# Altium PCB MiniPC.PcbDoc (part 2 of 22)
Units mm, origin at the board's own origin, x right, y up, seen from the top; angles counter-clockwise.
Board outline 175 x 155 mm, 16 copper layers (1_Top, 2_int1_(gnd), 3_int2_(power), 4_int3_(gnd), 5_int4_(sign), 6_int5_(power), 7_int6_(sign), 8_int7_(power), 9_int8_(gnd), 10_int9_(sign), 11_int10_(gnd), 12_int11_(sign), 13_int12_(gnd), 14_int13_(power), 15_int14_(gnd), 16_Bottom), stack 2.008 mm thick; 1046 components, 837 nets, 6010 pads, 3950 vias.
Unrouted connection lines stored in the file: 585.
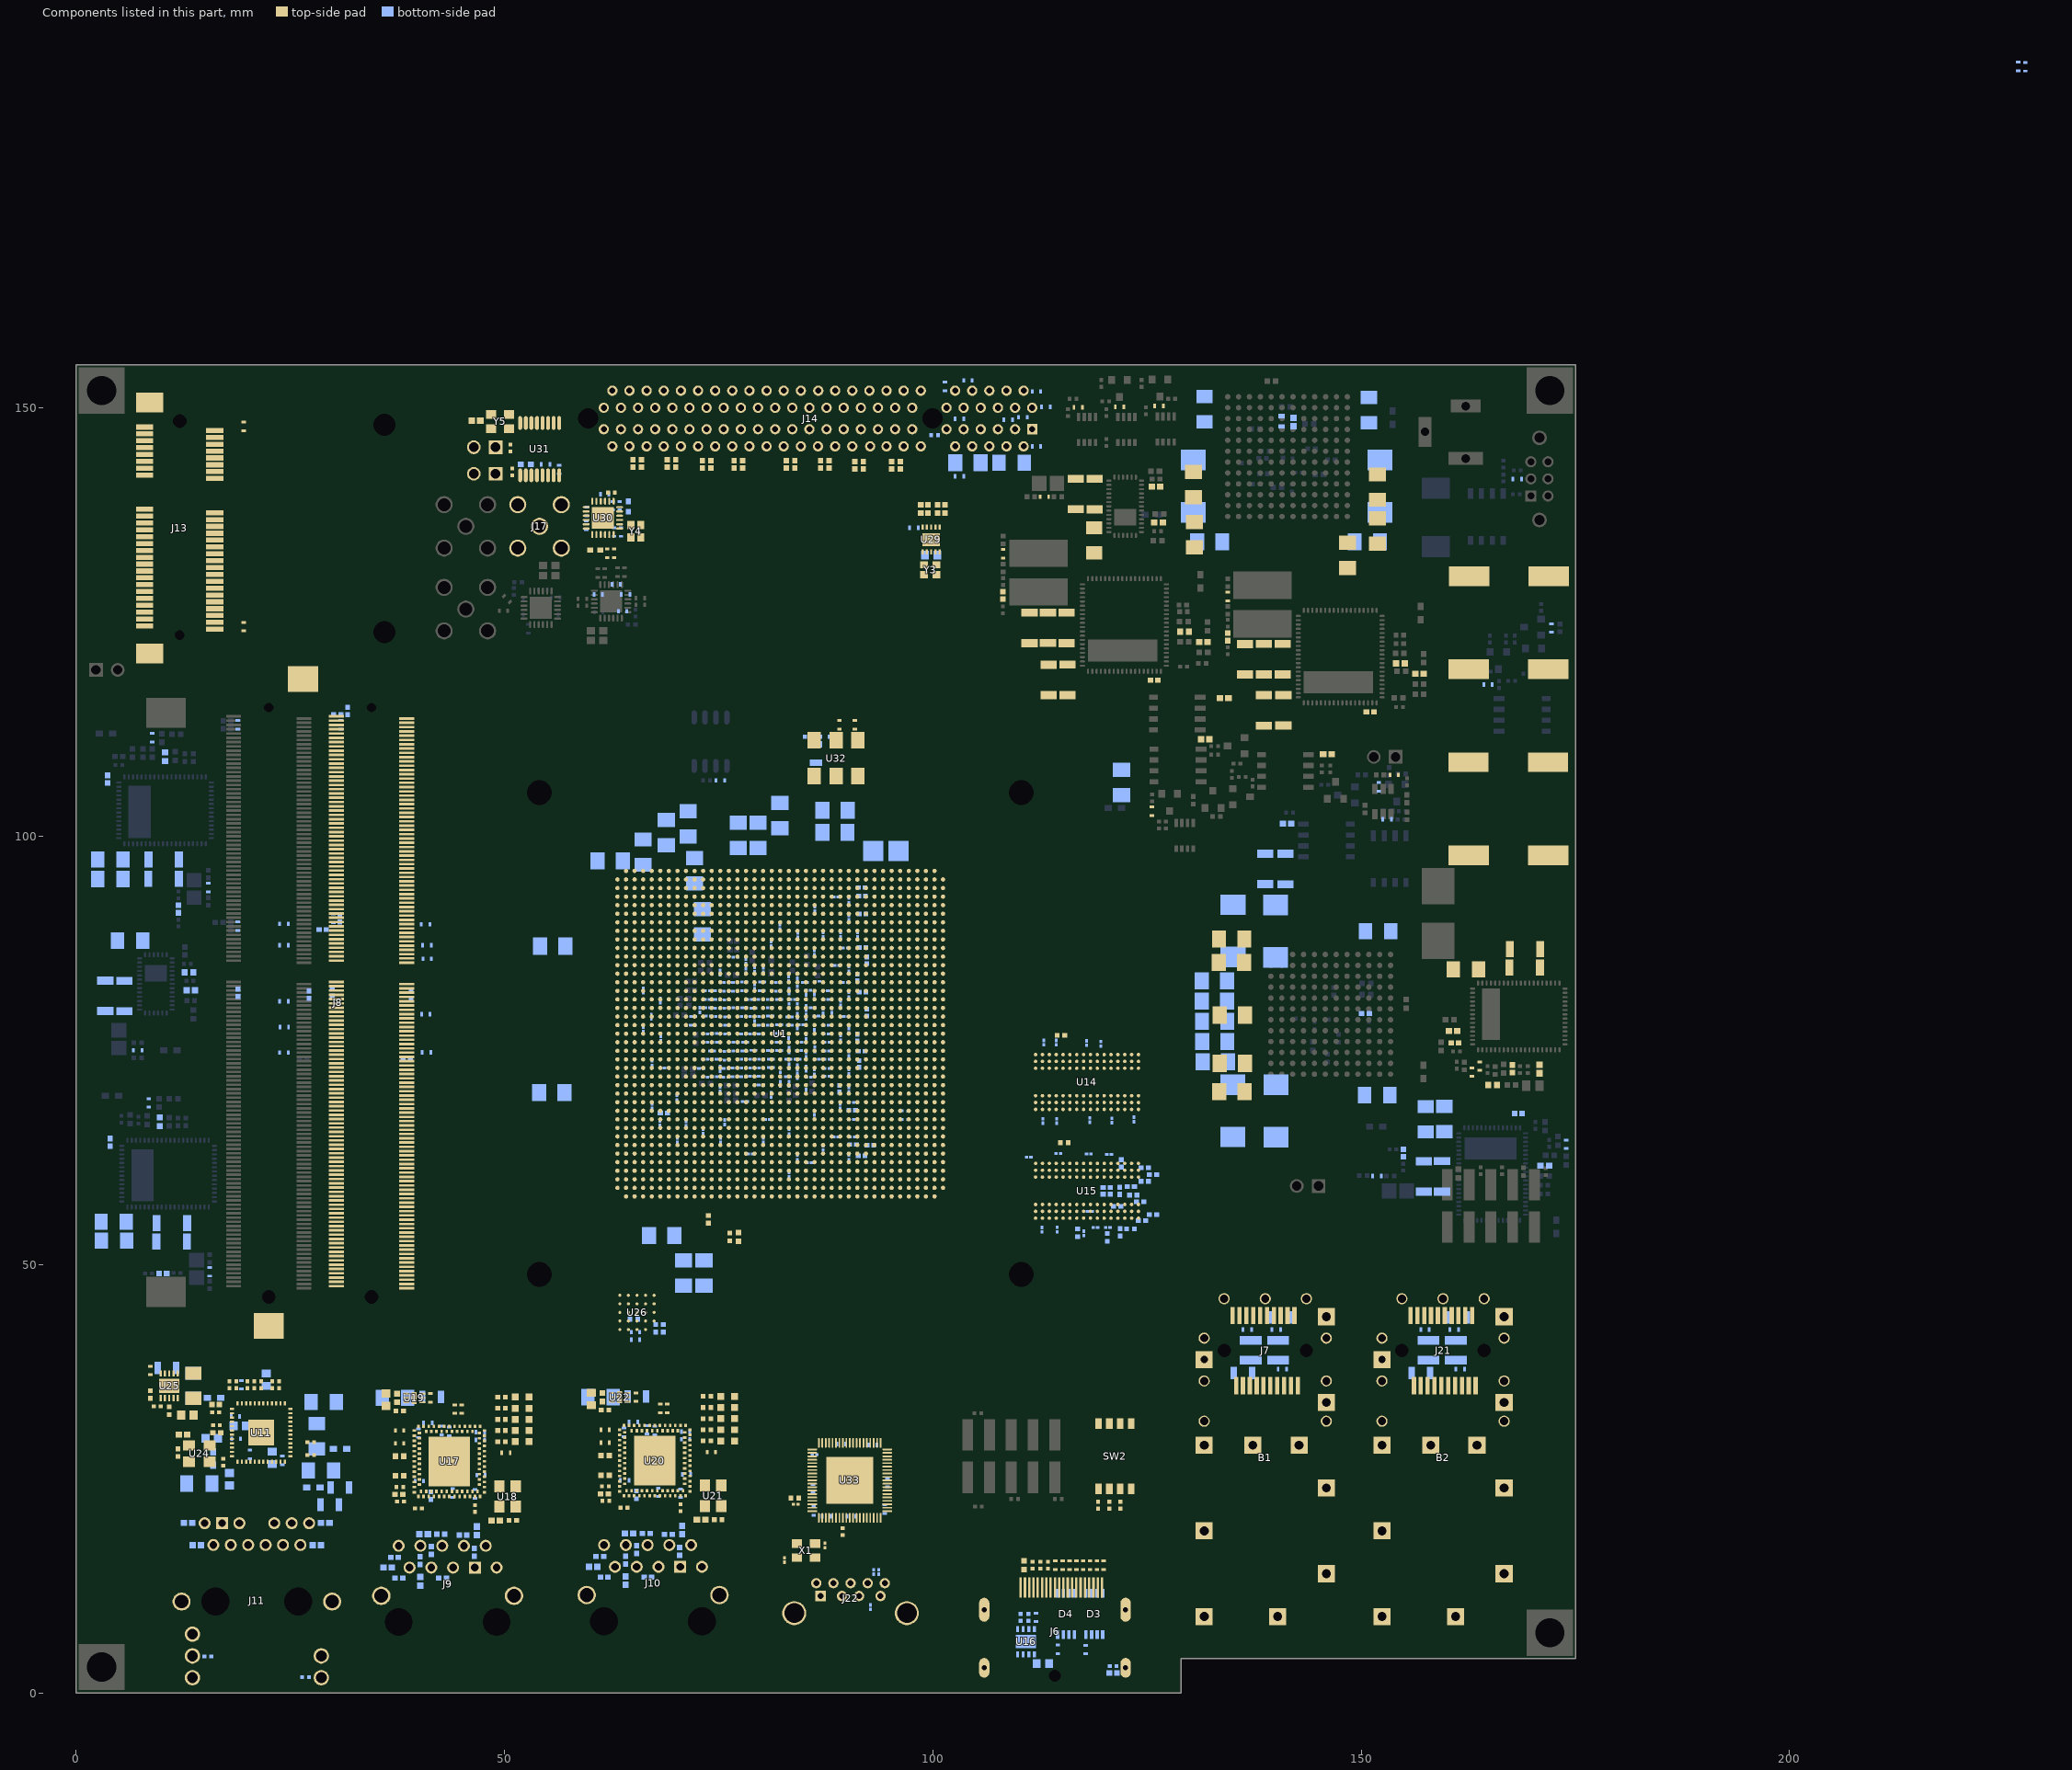
[diagram p16: the components of this part, seen from the top]

## Classes and differential pairs (continued)
component class U_PLL: C532 C533 C534 C535 C536 C537 C538 C539 C540 C541 C542 C543 C544 C545 C546 C547 C548 C549 J17 J18 J19 L19 L20 L21 L22 R335 R336 R337 R338 R339 R340 R341 U29 U30 U31 U32 Y3 Y4 Y5
component class U_USB3: U1
component class U_USB3: C560 C561 C562 C563 C564 C565 C566 C567 C568 C569 C570 C571 C572 C573 C574 J22 R342 R343 U33 X1
component class U_DDR4: C264 C265 C266 C267 C268 C269 C270 C271 C272 C273 C274 C275 C276 C277 C278 C279 C280 C281 C282 R208 R209 R210 R211 R212 R213 R214 R215 R216 R217 R218 R219 R220 R221 R222 R223 R224 R225 R226 U14 U15
component class U_DDR4_SODIMM1: C283 C284 C285 C286 C287 C288 C289 J8 R227 R228 R229 R230 R231
component class U_DDR4_SODIMM_Arria10: R237 R238 R239 R240 R241
component class U_Ethernet-HPS: C362 C363 C364 C365 C366 C367 C368 C369 C370 C371 C372 C373 C374 C375 C376 C377 C378 C379 C380 C381 C382 C383 C384 C385 C386 C387 J11 L11 L12 L13 L14 R297 R298 R299 R300 R301 R302 R303 R304 R305 R306 R307 R308 R309 R310 R311 R312 R313 R314 R315 R316 U11 U24 U25
component class U_HPS1_Arria10: C388 C389 R317 R318 R319 R320 R321 R322 R323 R324 R325 SW2 U26
component class U_Display_Port: C297 C298 C299 C300 C301 C302 C303 C304 C305 C306 C307 C308 C309 D3 D4 J6 R242 R243 R244 R245 R246 R247 R248 U16
component class U_SFP_PortA: B1 B2 C550 C551 C552 C553 C554 C555 C556 C557 C558 C559 J7 J21 L23 L24 L25 L26
component class U_Ethernet2: C336 C337 C338 C339 C340 C341 C342 C343 C344 C345 C346 C347 C348 C349 C350 C351 C352 C353 C354 C355 C356 C357 C358 C359 C360 C361 D10 D11 D12 D13 D14 J10 R273 R274 R275 R276 R277 R278 R279 R280 R281 R282 R283 R284 R285 R286 R287 R288 R289 R290 R291 R292 R293 R294 R295 R296 U20 U21 U22
component class U_Ethernet1: C310 C311 C312 C313 C314 C315 C316 C317 C318 C319 C320 C321 C322 C323 C324 C325 C326 C327 C328 C329 C330 C331 C332 C333 C334 C335 D5 D6 D7 D8 D9 J9 R249 R250 R251 R252 R253 R254 R255 R256 R257 R258 R259 R260 R261 R262 R263 R264 R265 R266 R267 R268 R269 R270 R271 R272 U17 U18 U19
component class U_PCIE_Connector: C483 C484 C485 C486 C487 C488 C489 C490 C491 C492 C493 C494 C495 C496 C497 C498 C499 C500 C501 C502 C503 C504 C505 C506 C507 C508 C509 J14 R332
component class U_miniPCIE_Connector: C481 C482 J13
net class USB3: USB3_BE0 USB3_BE1 USB3_BE2 USB3_BE3 USB3_CLK USB3_D0 USB3_D1 USB3_D2 USB3_D3 USB3_D4 USB3_D5 USB3_D6 USB3_D7 USB3_D8 USB3_D9 USB3_D10 USB3_D11 USB3_D12 USB3_D13 USB3_D14 USB3_D15 USB3_D16 USB3_D17 USB3_D18 USB3_D19 USB3_D20 USB3_D21 USB3_D22 USB3_D23 USB3_D24 USB3_D25 USB3_D26 USB3_D27 USB3_D28 USB3_D29 USB3_D30 USB3_D31 USB3_OE USB3_RD USB3_RESERVED USB3_RXF USB3_SIWU USB3_TXE USB3_WAKEUP USB3_WR
net class PCIE_TX: PCIE_TX0_N PCIE_TX0_P PCIE_TX1_N PCIE_TX1_P PCIE_TX2_N PCIE_TX2_P PCIE_TX3_N PCIE_TX3_P PCIE_TX4_N PCIE_TX4_P PCIE_TX5_N PCIE_TX5_P PCIE_TX6_N PCIE_TX6_P PCIE_TX7_N PCIE_TX7_P
net class PCIE_TX_C: PCIE_TX0_C_N PCIE_TX0_C_P PCIE_TX1_C_N PCIE_TX1_C_P PCIE_TX2_C_N PCIE_TX2_C_P PCIE_TX3_C_N PCIE_TX3_C_P PCIE_TX4_C_N PCIE_TX4_C_P PCIE_TX5_C_N PCIE_TX5_C_P PCIE_TX6_C_N PCIE_TX6_C_P PCIE_TX7_C_N PCIE_TX7_C_P
net class PCIE_RX: PCIE_RX0_N PCIE_RX0_P PCIE_RX1_N PCIE_RX1_P PCIE_RX2_N PCIE_RX2_P PCIE_RX3_N PCIE_RX3_P PCIE_RX4_N PCIE_RX4_P PCIE_RX5_N PCIE_RX5_P PCIE_RX6_N PCIE_RX6_P PCIE_RX7_N PCIE_RX7_P
net class PCIE_Upr: MINI_PCIE_SMB_CLK MINI_PCIE_SMB_DATA MINIPCIE_CLKREQ_L MINIPCIE_LED_WLAN_L MINIPCIE_PERST_L MINIPCIE_W_DISABLE_L MINIPCIE_WAKE_L PCIE_PERSTN
net class USB3_diff: USB3_D_N USB3_D_P USB3_SSRX_N USB3_SSRX_P USB3_TOD_N USB3_TOD_P
pad class Class_Polygon: C9-1 C10-1 C11-1 C12-1 C18-1 C19-1 C20-1 C21-1 C22-1 C28-1 C29-1 C30-1 C31-1 C37-1 C38-1 C39-1 C40-1 C45-1 C46-1 C47-1 C51-1 C52-1 C53-1 C55-1 C56-1 C61-1 C62-1 C63-1 C71-1 C72-1 C74-2 C75-2 C76-2 C77-2 C80-2 C81-1 C81-2 C82-1 C83-1 C84-1 C85-1 C85-2 C86-1 C87-2 C88-1 C88-2 C89-1 C90-1 C91-1 C92-1 C93-1 C95-2 C96-1 C97-1 C98-1 C99-1 C100-1 C101-2 C102-1 C103-1 C104-1 C105-1 C112-1 C113-1 C116-1 C132-1 C135-1 C206-2 C207-2 C208-2 C209-2 C222-2 C224-1 C225-1 C226-1 C227-1 C228-2 C231-1 C232-1 C236-1 C237-1 C238-1 C243-1 C244-1 C245-1 C246-1 C247-1 C256-1 C257-1 C258-2 C259-2 C260-1 C265-2 C266-2 C267-1 C282-1 C283-1 C284-1 C290-1 C291-1 C292-1 C293-1 C294-1 C309-1 C310-1 C311-1 C312-1 C327-1 C329-1 C495-2 D1-2 J4-1 J4-2 J4-3 L3-1 L5-1 L6-1 L8-1 Q20-1 Q20-2 Q20-3 U11-49 U33-69
net class SFP: SFPA_RX_N SFPA_RX_P SFPA_TX_N SFPA_TX_P SFPB_RX_N SFPB_RX_P SFPB_TX_N SFPB_TX_P
net class PCIE_CLK: PCIE_REFCLK_QR0_N PCIE_REFCLK_QR0_P PCIE_REFCLK_SYN_N PCIE_REFCLK_SYN_P
differential pair MINI_PCIE_USB_D: +MINI_PCIE_USB_D_P -MINI_PCIE_USB_D_N
differential pair USB3_SSRX: +USB3_SSRX_P -USB3_SSRX_N
differential pair USB3_TOD: +USB3_TOD_P -USB3_TOD_N
differential pair USB3_SSTX: +USB3_SSTX_P -USB3_SSTX_N
differential pair USB3_D: +USB3_D_P -USB3_D_N
differential pair TRD4: +TRD4_P -TRD4_N
differential pair TRD3: +TRD3_P -TRD3_N
differential pair TRD2: +TRD2_P -TRD2_N
differential pair TRD1: +TRD1_P -TRD1_N
differential pair REFCLK_SMA: +REFCLK_SMA_P -REFCLK_SMA_N
differential pair REFCLK_SDI: +REFCLK_SDI_P -REFCLK_SDI_N
differential pair REFCLK_DP: +REFCLK_DP_P -REFCLK_DP_N
differential pair REFCLK1_FMCB: +REFCLK1_FMCB_P -REFCLK1_FMCB_N
differential pair PCIE_TX7: +PCIE_TX7_P -PCIE_TX7_N
differential pair PCIE_TX7_C: +PCIE_TX7_C_P -PCIE_TX7_C_N
differential pair PCIE_TX6: +PCIE_TX6_P -PCIE_TX6_N
differential pair PCIE_TX6_C: +PCIE_TX6_C_P -PCIE_TX6_C_N
differential pair PCIE_TX5: +PCIE_TX5_P -PCIE_TX5_N
differential pair PCIE_TX5_C: +PCIE_TX5_C_P -PCIE_TX5_C_N
differential pair PCIE_TX4: +PCIE_TX4_P -PCIE_TX4_N
differential pair PCIE_TX4_C: +PCIE_TX4_C_P -PCIE_TX4_C_N
differential pair PCIE_TX3: +PCIE_TX3_P -PCIE_TX3_N
differential pair PCIE_TX3_C: +PCIE_TX3_C_P -PCIE_TX3_C_N
differential pair PCIE_TX2: +PCIE_TX2_P -PCIE_TX2_N
differential pair PCIE_TX2_C: +PCIE_TX2_C_P -PCIE_TX2_C_N
differential pair PCIE_TX1: +PCIE_TX1_P -PCIE_TX1_N
differential pair PCIE_TX1_C: +PCIE_TX1_C_P -PCIE_TX1_C_N
differential pair PCIE_TX0: +PCIE_TX0_P -PCIE_TX0_N
differential pair PCIE_TX0_C: +PCIE_TX0_C_P -PCIE_TX0_C_N
differential pair PCIE_RX7: +PCIE_RX7_P -PCIE_RX7_N
differential pair PCIE_RX6: +PCIE_RX6_P -PCIE_RX6_N
differential pair PCIE_RX5: +PCIE_RX5_P -PCIE_RX5_N
differential pair PCIE_RX4: +PCIE_RX4_P -PCIE_RX4_N
differential pair PCIE_RX3: +PCIE_RX3_P -PCIE_RX3_N
differential pair PCIE_RX2: +PCIE_RX2_P -PCIE_RX2_N
differential pair PCIE_RX1: +PCIE_RX1_P -PCIE_RX1_N
differential pair PCIE_RX0: +PCIE_RX0_P -PCIE_RX0_N
differential pair PCIE_REFCLK_SYN: +PCIE_REFCLK_SYN_P -PCIE_REFCLK_SYN_N
differential pair PCIE_REFCLK_QR0: +PCIE_REFCLK_QR0_P -PCIE_REFCLK_QR0_N
differential pair ENETB_TX: +ENETB_TX_P -ENETB_TX_N
differential pair ENETB_TXC: +ENETB_TXC_P -ENETB_TXC_N
differential pair ENETB_RX: +ENETB_RX_P -ENETB_RX_N
differential pair ENETB_RXC: +ENETB_RXC_P -ENETB_RXC_N
differential pair ENETA_TX: +ENETA_TX_P -ENETA_TX_N
differential pair ENETA_TXC: +ENETA_TXC_P -ENETA_TXC_N
differential pair ENETA_RX: +ENETA_RX_P -ENETA_RX_N
differential pair ENETA_RXC: +ENETA_RXC_P -ENETA_RXC_N
differential pair DP_ML_LANE3: +DP_ML_LANE3_P -DP_ML_LANE3_N
differential pair DP_ML_LANE3_C: +DP_ML_LANE3_C_P -DP_ML_LANE3_C_N
differential pair DP_ML_LANE2: +DP_ML_LANE2_P -DP_ML_LANE2_N
differential pair DP_ML_LANE2_C: +DP_ML_LANE2_C_P -DP_ML_LANE2_C_N
differential pair DP_ML_LANE1: +DP_ML_LANE1_P -DP_ML_LANE1_N
differential pair DP_ML_LANE1_C: +DP_ML_LANE1_C_P -DP_ML_LANE1_C_N
differential pair DP_ML_LANE0: +DP_ML_LANE0_P -DP_ML_LANE0_N
differential pair DP_ML_LANE0_C: +DP_ML_LANE0_C_P -DP_ML_LANE0_C_N
differential pair DDR4_DQS3: +DDR4_DQS3_P -DDR4_DQS3_N
differential pair DDR4_DQS2: +DDR4_DQS2_P -DDR4_DQS2_N
differential pair DDR4_DQS1: +DDR4_DQS1_P -DDR4_DQS1_N
differential pair DDR4_DQS0: +DDR4_DQS0_P -DDR4_DQS0_N
differential pair DDR4_CLK: +DDR4_CLK_P -DDR4_CLK_N
differential pair CLK_ENET_FPGA: +CLK_ENET_FPGA_P -CLK_ENET_FPGA_N
differential pair BMDI3: +BMDI3_P -BMDI3_N
differential pair BMDI2: +BMDI2_P -BMDI2_N
differential pair BMDI1: +BMDI1_P -BMDI1_N
differential pair BMDI0: +BMDI0_P -BMDI0_N
differential pair AMDI3: +AMDI3_P -AMDI3_N
differential pair AMDI2: +AMDI2_P -AMDI2_N
differential pair AMDI1: +AMDI1_P -AMDI1_N
differential pair AMDI0: +AMDI0_P -AMDI0_N
differential pair REFCLK0_FMCB: +REFCLK0_FMCB_P -REFCLK0_FMCB_N
differential pair SFPA_RX: +SFPA_RX_P -SFPA_RX_N
differential pair SFPA_TX: +SFPA_TX_P -SFPA_TX_N
differential pair SFPB_RX: +SFPB_RX_P -SFPB_RX_N
differential pair SFPB_TX: +SFPB_TX_P -SFPB_TX_N
differential pair DDR4_SODIMM_CK0: +DDR4_SODIMM_CK0_P -DDR4_SODIMM_CK0_N
differential pair DDR4_SODIMM_CK1: +DDR4_SODIMM_CK1_P -DDR4_SODIMM_CK1_N
differential pair DDR4_SODIMM_DQS0: +DDR4_SODIMM_DQS0_P -DDR4_SODIMM_DQS0_N
differential pair DDR4_SODIMM_DQS1: +DDR4_SODIMM_DQS1_P -DDR4_SODIMM_DQS1_N
differential pair DDR4_SODIMM_DQS2: +DDR4_SODIMM_DQS2_P -DDR4_SODIMM_DQS2_N
differential pair DDR4_SODIMM_DQS3: +DDR4_SODIMM_DQS3_P -DDR4_SODIMM_DQS3_N
differential pair DDR4_SODIMM_DQS4: +DDR4_SODIMM_DQS4_P -DDR4_SODIMM_DQS4_N
differential pair DDR4_SODIMM_DQS5: +DDR4_SODIMM_DQS5_P -DDR4_SODIMM_DQS5_N
differential pair DDR4_SODIMM_DQS6: +DDR4_SODIMM_DQS6_P -DDR4_SODIMM_DQS6_N
differential pair DDR4_SODIMM_DQS7: +DDR4_SODIMM_DQS7_P -DDR4_SODIMM_DQS7_N
differential pair DDR4_SODIMM_CK2: +DDR4_SODIMM_CK2_P -DDR4_SODIMM_CK2_N
differential pair DDR4_SODIMM_CK3: +DDR4_SODIMM_CK3_P -DDR4_SODIMM_CK3_N
differential pair CLK_DIFF1: +CLK_DIFF1_P -CLK_DIFF1_N
differential pair CLK_DIFF2: +CLK_DIFF2_P -CLK_DIFF2_N
differential pair ENET_REFCLK_C: +ENET_REFCLK_C_P -ENET_REFCLK_C_N
differential pair REFCLK0_FMCB_C: +REFCLK0_FMCB_C_P -REFCLK0_FMCB_C_N
differential pair REFCLK1_FMCB_C: +REFCLK1_FMCB_C_P -REFCLK1_FMCB_C_N
differential pair REFCLK_DP_C: +REFCLK_DP_C_P -REFCLK_DP_C_N
differential pair MINI_PCIE_PER: +MINI_PCIE_PER_P -MINI_PCIE_PER_N
differential pair MINIPCIE_PET: +MINIPCIE_PET_P -MINIPCIE_PET_N
differential pair MINIPCIE_REFCLK: +MINIPCIE_REFCLK_P -MINIPCIE_REFCLK_N
differential pair A10_HLVDDI: +A10_HLVDDI_P -A10_HLVDDI_N

## Components (designator, comment, footprint, x,y, rotation, side; value= is the part's Value field where it differs from the comment)
B1 "74754-0101" MOLX-74754-0101_V 138.8,27.45 r180 top locked
B2 "74754-0101" MOLX-74754-0101_V 159.55,27.45 r180 top
C1 "CGB2A1X5R1E105K033BC" CAPC1005X33X10LL5 125.55,102.91 r90 top
C2 "GRM155R71H103KA88D" CAPC1005X55X25ML05T10 134.01,116.1 r180 top
C3 "GRM155R71H103KA88D" CAPC1005X55X25ML05T10 131.8,111.3 r180 top
C4 "CGB2A1X5R1E105K033BC" CAPC1005X33X10LL5 121.8,150.1 r0 top
C5 "CGB2A1X5R1E105K033BC" CAPC1005X33X10LL5 126.4,150.2 r0 top
C6 "CGB2A1X5R1E105K033BC" CAPC1005X33X10LL5 116.97,150.05 r0 top
C7 "CGB2A1X5R1E105K033BC" CAPC1005X33X10LL5 15.45,93.99 r90 bottom
C8 "C1005C0G1H220J050BA" CAPC1005X55X10LL05 8.9,111.5 r270 bottom locked
C9 "GRM31CR61E226KE15L" CAPC3216X180X55ML20T25 3.99,97.28 r180 bottom
C10 "GRM31CR61E226KE15L" CAPC3216X180X55ML20T25 3.99,94.99 r180 bottom
C11 "C3216X5R1A476M160AB" CAPC3216X180X20ML20 10.22,95.03 r0 bottom
C12 "C3216X5R1A476M160AB" CAPC3216X180X20ML20 10.25,97.28 r0 bottom
C13 "GRM155R61A224KE19D" CAPC1005X55X25NL05T10 11.95,91.49 r270 bottom
C14 "VJ0402Y153JXQPW1BC" CAPC1005X55X23ML05T8 10.4,109.26 r270 bottom locked
C15 "GRM155R61A224KE19D" CAPC1005X55X25NL05T10 3.7,106.66 r270 bottom locked
C16 "GRM155R61A224KE19D" CAPC1005X55X25NL05T10 108.19,128.11 r270 top
C17 "ECJ-0EC1H270J" CAPC1005X55X20ML5T10 131.59,122.67 r0 top
C18 "C3216X5R1A476M160AB" CAPC3216X180X20ML20 113.51,118.23 r270 top
C19 "C3216X5R1A476M160AB" CAPC3216X180X20ML20 115.73,118.25 r270 top
C20 "C3216X5R1A476M160AB" CAPC3216X180X20ML20 111.3,124.315 r90 top
C21 "C3216X5R1A476M160AB" CAPC3216X180X20ML20 115.61,124.31 r90 top
C22 "C3216X5R1A476M160AB" CAPC3216X180X20ML20 113.43,124.32 r90 top
C23 "CGB2A1X5R1E105K033BC" CAPC1005X33X10LL5 108.21,132.95 r90 top
C24 "VJ0402Y153JXQPW1BC" CAPC1005X55X23ML05T8 129.365,123.87 r180 top
C25 "GRM155R61A224KE19D" CAPC1005X55X25NL05T10 125.84,118.21 r180 top
C26 "CGB2A1X5R1E105K033BC" CAPC1005X33X10LL5 15.6,49.15 r90 bottom
C27 "C1005C0G1H220J050BA" CAPC1005X55X10LL05 8.495,68.85 r270 bottom locked
C28 "GRM31CR61E226KE15L" CAPC3216X180X55ML20T25 4.41,54.97 r180 bottom
C29 "GRM31CR61E226KE15L" CAPC3216X180X55ML20T25 4.42,52.77 r180 bottom
C30 "C3216X5R1A476M160AB" CAPC3216X180X20ML20 11.185,54.83 r0 bottom
C31 "C3216X5R1A476M160AB" CAPC3216X180X20ML20 11.17,52.69 r0 bottom
C32 "GRM155R61A224KE19D" CAPC1005X55X25NL05T10 10.15,48.95 r180 bottom
C33 "VJ0402Y153JXQPW1BC" CAPC1005X55X23ML05T8 9.795,66.65 r270 bottom locked
C34 "GRM155R61A224KE19D" CAPC1005X55X25NL05T10 3.995,64.25 r270 bottom locked
C35 "CGB2A1X5R1E105K033BC" CAPC1005X33X10LL5 151.83,60.34 r0 bottom
C36 "C1005C0G1H220J050BA" CAPC1005X55X10LL05 173.935,64.03 r90 bottom locked
C37 "GRM31CR61E226KE15L" CAPC3216X180X55ML20T25 157.52,66.95 r90 bottom
C38 "GRM31CR61E226KE15L" CAPC3216X180X55ML20T25 159.71,66.96 r90 bottom
C39 "C3216X5R1A476M160AB" CAPC3216X180X20ML20 157.32,60.28 r270 bottom
C40 "C3216X5R1A476M160AB" CAPC3216X180X20ML20 159.44,60.29 r270 bottom
C41 "GRM155R61A224KE19D" CAPC1005X55X25NL05T10 154.91,63 r90 bottom
C42 "VJ0402Y153JXQPW1BC" CAPC1005X55X23ML05T8 171.435,61.53 r180 bottom locked
C43 "GRM155R61A224KE19D" CAPC1005X55X25NL05T10 168.335,67.63 r180 bottom locked
C44 "CGB2A1X5R1E105K033BC" CAPC1005X33X10LL5 7.2,75 r0 bottom locked
C45 "GRM31CR61E226KE15L" CAPC3216X180X55ML20T25 6.34,87.81 r0 bottom
C46 "C3216X5R1A476M160AB" CAPC3216X180X20ML20 3.43,81.355 r270 bottom
C47 "C3216X5R1A476M160AB" CAPC3216X180X20ML20 5.64,81.335 r270 bottom
C48 "ECJ-0EC1H150J" CAPC1005X55X20ML5T10 13.4,82 r0 bottom locked
C49 "VJ0402Y153JXQPW1BC" CAPC1005X55X23ML05T8 13.2,84.1 r180 bottom locked
C50 "GRM155R61A224KE19D" CAPC1005X55X25NL05T10 134.41,123.25 r270 top
C51 "ECJ-0EC1H270J" CAPC1005X55X20ML5T10 156.795,118.96 r0 top
C52 "C3216X5R1A476M160AB" CAPC3216X180X20ML20 140.91,114.7 r270 top
C53 "C3216X5R1A476M160AB" CAPC3216X180X20ML20 138.64,114.67 r270 top
C54 "C3216X5R1A476M160AB" CAPC3216X180X20ML20 138.62,120.66 r90 top
C55 "C3216X5R1A476M160AB" CAPC3216X180X20ML20 140.82,120.66 r90 top
C56 "C3216X5R1A476M160AB" CAPC3216X180X20ML20 136.43,120.63 r90 top
C57 "CGB2A1X5R1E105K033BC" CAPC1005X33X10LL5 134.41,127.96 r90 top
C58 "VJ0402Y153JXQPW1BC" CAPC1005X55X23ML05T8 154.57,120.16 r180 top
C59 "GRM155R61A224KE19D" CAPC1005X55X25NL05T10 151.045,114.5 r180 top
C60 "CGB2A1X5R1E105K033BC" CAPC1005X33X10LL5 113.02,139.62 r180 top
C61 "GRM31CR61E226KE15L" CAPC3216X180X55ML20T25 118.83,134.52 r270 top
C62 "C3216X5R1A476M160AB" CAPC3216X180X20ML20 118.88,139.93 r90 top
C63 "C3216X5R1A476M160AB" CAPC3216X180X20ML20 116.67,139.94 r90 top
C64 "ECJ-0EC1H150J" CAPC1005X55X20ML5T10 126.05,140.8 r0 top
C65 "VJ0402Y153JXQPW1BC" CAPC1005X55X23ML05T8 126.35,136.6 r180 top
C66 "CGB2A1X5R1E105K033BC" CAPC1005X33X10LL5 153.02,101.96 r180 bottom
C67 "GRM155R71H103KA88D" CAPC1005X55X25ML05T10 146.045,109.55 r180 top
C68 "C1005X7R1E104M" CAPC1005X55X10LL05 152.045,105.75 r90 bottom locked
C69 "C1005X7R1E104M" CAPC1005X55X10LL05 153.845,107.15 r180 top
C70 "GRM155R71H103KA88D" CAPC1005X55X25ML05T10 141.345,101.45 r0 bottom locked
C71 "C3216X5R1A476M160AB" CAPC3216X180X20ML20 141.145,96.15 r90 bottom locked
C72 "C3216X5R1A476M160AB" CAPC3216X180X20ML20 138.81,96.16 r90 bottom
C73 "CGB2A1X5R1E105K033BC" CAPC1005X33X10LL5 168.2,141.7 r180 bottom locked
C74 "EEH-ZA1E331P" PNSC-EEH-ZA1E331P_M 167.19,119.5 r0 top
C75 "EEH-ZA1E331P" PNSC-EEH-ZA1E331P_M 167.19,97.76 r0 top
C76 "EEH-ZA1E331P" PNSC-EEH-ZA1E331P_M 167.16,108.62 r0 top
C77 "EEH-ZA1E331P" PNSC-EEH-ZA1E331P_M 167.24,130.31 r0 top
C78 "CGB2A1X5R1E105K033BC" CAPC1005X33X10LL5 164.8,117.7 r180 bottom locked
C79 "C1005X7R1E104M" CAPC1005X55X10LL05 172.2,124.3 r90 bottom locked
C80 "6TPF330M9L" PNSC-TPF-D3L_V 135.04,88.94 r90 bottom
C81 "6TPF330M9L" PNSC-TPF-D3L_V 140.05,67.91 r270 bottom
C82 "GRM31CR60J107ME39L" CAPC3216X190X55ML30T25 134.88,87.97 r0 top
C83 "GRM31CR60J107ME39L" CAPC3216X190X55ML30T25 134.87,85.26 r0 top
C84 "GRM31CR60J107ME39L" CAPC3216X190X55ML30T25 132.89,78.37 r0 bottom
C85 "GRM31CR61E226KE15L" CAPC3216X180X55ML20T25 151.965,88.895 r0 bottom
C86 "GRM31CR61E226KE15L" CAPC3216X180X55ML20T25 151.88,69.77 r0 bottom
C87 "6TPF330M9L" PNSC-TPF-D3L_V 140,88.89 r90 bottom
C88 "6TPF330M9L" PNSC-TPF-D3L_V 135.03,67.94 r270 bottom
C89 "GRM31CR60J107ME39L" CAPC3216X190X55ML30T25 134.9,70.17 r0 top
C90 "GRM31CR60J107ME39L" CAPC3216X190X55ML30T25 134.95,73.47 r0 top
C91 "GRM31CR60J107ME39L" CAPC3216X190X55ML30T25 132.9,76.03 r0 bottom
C92 "GRM31CR60J107ME39L" CAPC3216X190X55ML30T25 132.96,73.66 r0 bottom
C93 "GRM31CR60J107ME39L" CAPC3216X190X55ML30T25 134.96,79.11 r0 top
C94 "VJ0402Y182JXJCW1BC" CAPC1005X55X23NL05T8 150.49,79.295 r180 bottom locked
C95 "6TPF330M9L" PNSC-TPF-D3L_V 130.4,140.85 r90 bottom locked
C96 "GRM31CR60J107ME39L" CAPC3216X190X55ML30T25 132.31,134.34 r0 bottom
C97 "GRM31CR60J107ME39L" CAPC3216X190X55ML30T25 130.41,141.05 r270 top
C98 "GRM31CR60J107ME39L" CAPC3216X190X55ML30T25 130.54,135.19 r90 top
C99 "GRM31CR61E226KE15L" CAPC3216X180X55ML20T25 150.9,149.725 r90 bottom locked
C100 "GRM31CR61E226KE15L" CAPC3216X180X55ML20T25 131.7,149.825 r90 bottom locked
C101 "6TPF330M9L" PNSC-TPF-D3L_V 152.2,140.85 r90 bottom locked
C102 "GRM31CR60J107ME39L" CAPC3216X190X55ML30T25 151.9,135.6 r90 top
C103 "GRM31CR60J107ME39L" CAPC3216X190X55ML30T25 150.71,134.34 r180 bottom
C104 "GRM31CR60J107ME39L" CAPC3216X190X55ML30T25 151.89,140.74 r270 top
C105 "GRM31CR60J107ME39L" CAPC3216X190X55ML30T25 148.42,132.79 r90 top
C106 "ECJ-0EC1H680J" CAPC1005X55X20ML5T10 142.1,148.335 r270 bottom locked
C107 "CGJ2B2X7R1E222K050BA" CAPC1005X55X10ML05 140.7,148.425 r270 bottom locked
C108 "GRM1535C1H560JDD5D" CAPC1005X33X20ML05T10 165.334,70.95 r0 top
C109 "CGB2A1X5R1E105K033BC" CAPC1005X33X10LL5 162.934,72.45 r90 top
C110 "GRM155R71E473KA88D" CAPC1005X55X25NL05T10 167.634,72.85 r90 top
C111 "GRM155R71E223KA61D" CAPC1005X55X25ML05T10 160.734,77.25 r180 top
C112 "C3216X5R1A476M160AB" CAPC3216X180X20ML20 169.075,84.66 r0 top
C113 "C3216X5R1A476M160AB" CAPC3216X180X20ML20 169.115,86.81 r0 top
C114 "CGB2A1X5R1E105K033BC" CAPC1005X33X10LL5 163.834,73.15 r270 top
C115 "GRM155R61A224KE19D" CAPC1005X55X25NL05T10 160.934,75.85 r180 top
C116 "GRM31CR61E226KE15L" CAPC3216X180X55ML20T25 162.23,84.46 r180 top
C117 "GRM155R71H681KA01D" CAPC1005X55X25ML05T10 170.805,72.81 r90 top
C118 "GRM033R60J104KE19D" CAPC0603X33X15LL03T05 81.125,69.8 r90 bottom locked
C119 "GRM033R60J104KE19D" CAPC0603X33X15LL03T05 85.5,71.85 r180 bottom locked
C120 "GRM033R60J104KE19D" CAPC0603X33X15LL03T05 85.2,70.675 r90 bottom locked
C121 "GRM033R60J104KE19D" CAPC0603X33X15LL03T05 86.5,83.05 r180 bottom locked
C122 "GRM033R60J104KE19D" CAPC0603X33X15LL03T05 84.2,83.65 r270 bottom locked
C123 "GRM033R60J104KE19D" CAPC0603X33X15LL03T05 78.075,69 r180 bottom locked
C124 "GRM033R60J104KE19D" CAPC0603X33X15LL03T05 75.175,70.45 r90 bottom locked
C125 "GRM033R60J104KE19D" CAPC0603X33X15LL03T05 72.975,72.875 r180 bottom locked
C126 "GRM033R60J104KE19D" CAPC0603X33X15LL03T05 72,77.925 r0 bottom locked
C127 "GRM033R60J104KE19D" CAPC0603X33X15LL03T05 72.05,78.925 r0 bottom locked
C128 "GRM033R60J104KE19D" CAPC0603X33X15LL03T05 72.825,79.7 r90 bottom locked
C129 "GRM033R60J104KE19D" CAPC0603X33X15LL03T05 75.175,84.05 r270 bottom locked
C130 "GRM033R60J104KE19D" CAPC0603X33X15LL03T05 76.975,85.875 r180 bottom locked
C131 "C1005X7R1E104M" CAPC1005X55X10LL05 75.2,106.5 r180 bottom locked
C132 "GRM31CR60J107ME39L" CAPC3216X190X55ML30T25 132.86,80.73 r0 bottom
C133 "GRM31CR60J107ME39L" CAPC3216X190X55ML30T25 82.15,102.4 r270 bottom locked
C134 "GRM31CR60J107ME39L" CAPC3216X190X55ML30T25 88.575,103.025 r180 bottom locked
C135 "GRM31CR60J107ME39L" CAPC3216X190X55ML30T25 132.86,83.09 r0 bottom
C136 "GRM31CR60J107ME39L" CAPC3216X190X55ML30T25 70.9,49 r90 bottom locked
C137 "GRM31CR60J107ME39L" CAPC3216X190X55ML30T25 73.3,49 r90 bottom locked
C138 "GRM31CR60J107ME39L" CAPC3216X190X55ML30T25 62.35,97.13 r0 bottom
C139 "GRM31CR60J107ME39L" CAPC3216X190X55ML30T25 88.57,100.44 r180 bottom
C140 "GRM31CR60J107ME39L" CAPC3216X190X55ML30T25 66.175,98.125 r270 bottom locked
C141 "GRM31CR60J107ME39L" CAPC3216X190X55ML30T25 73.1,90 r270 bottom locked